# Altium PCB RK_NVR_DEMO1_RK3588_LP4XD200P232SD8_V21_20211228_final_lint.PcbDoc (part 22 of 29)
Units mm, origin at the board's own origin, x right, y up, seen from the top; angles counter-clockwise.
Board outline 170.08 x 169.98 mm, 8 copper layers (TOP, L2-GND1, L3-POWER1, L4-S1, L5-GND2, L6-S2, L7-GND3, BOTTOM), stack 2.118 mm thick; 1650 components, 1119 nets, 6165 pads, 15417 vias.
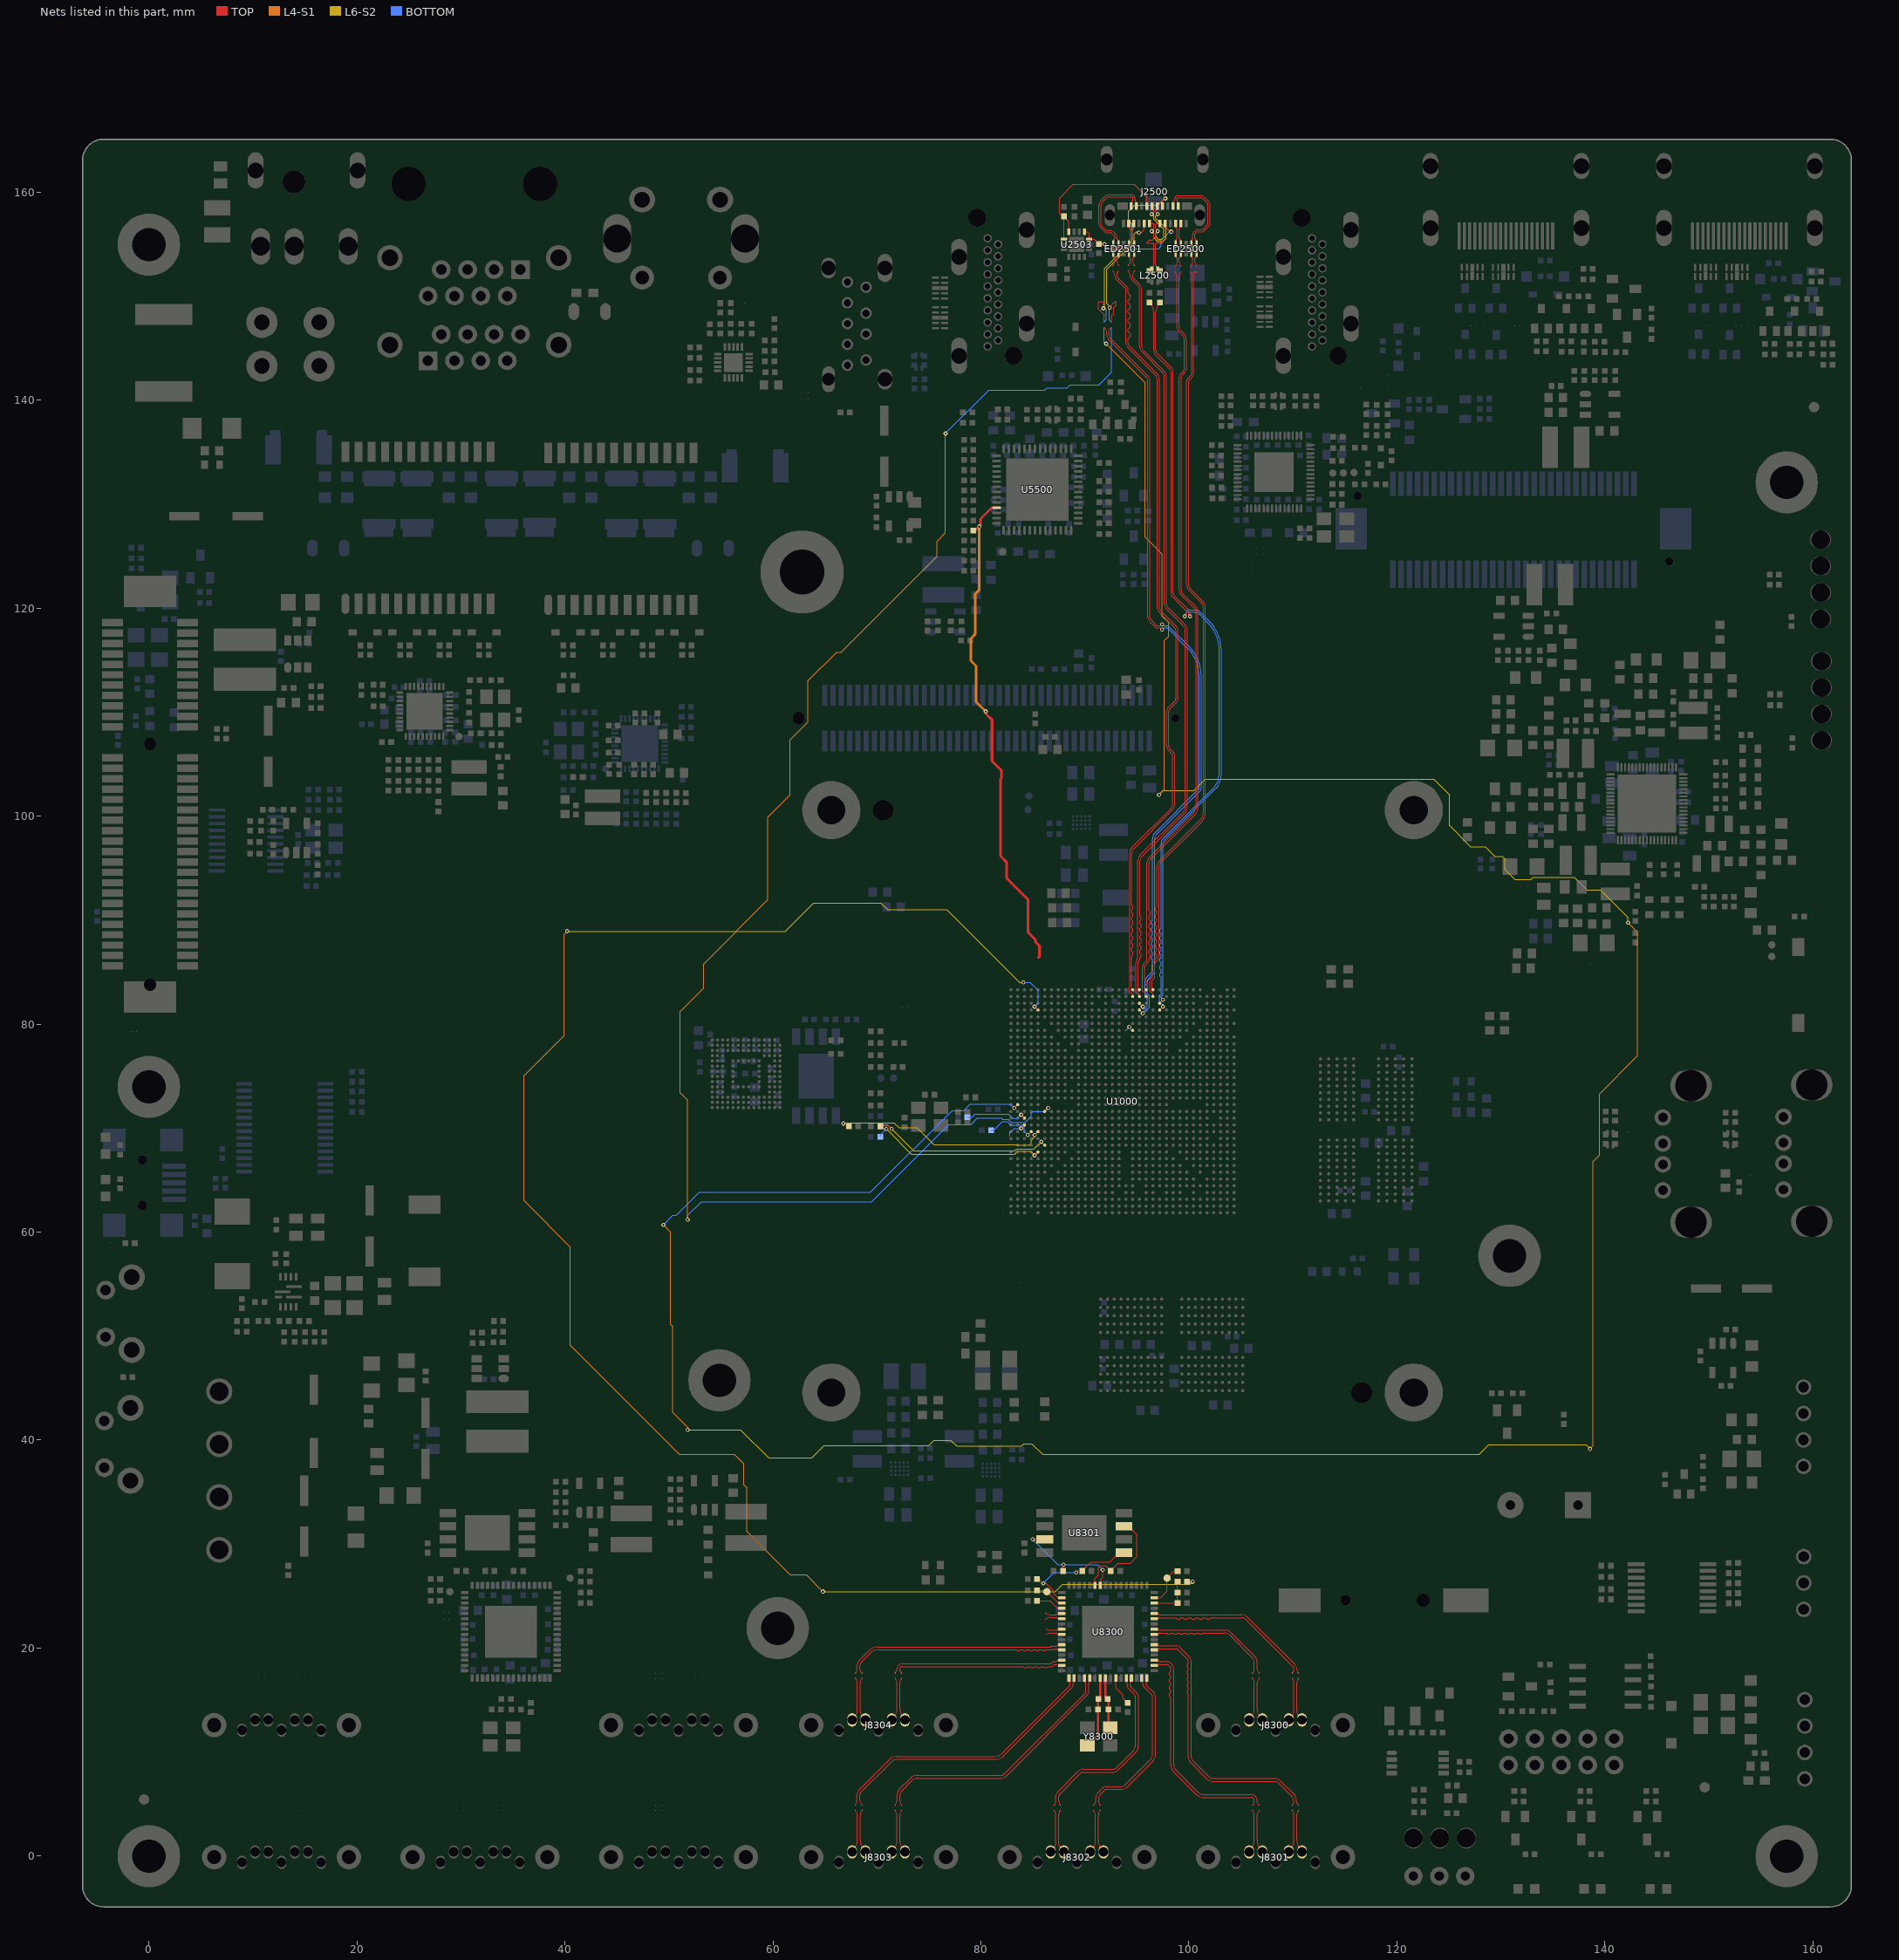
[diagram p28: the nets of this part, all layers, seen from the top]

## Via types
v1: diameter 0.4, hole 0.2, TOP to BOTTOM, 1688 vias
v2: diameter 0.4/0.4 (per signal layer), hole 0.2, TOP to L2-GND1, 1605 vias
v3: diameter 0/0/0/0/0/0/0/0.4 (per signal layer), hole 0.2, TOP to BOTTOM, 1253 vias
v4: diameter 0.4/0/0/0/0/0/0/0 (per signal layer), hole 0.2, TOP to BOTTOM, 1253 vias
v5: diameter 0.5, hole 0.3, TOP to BOTTOM, 857 vias
v6: diameter 0.4/0.4/0.4/0.4/0.4 (per signal layer), hole 0.2, L4-S1 to BOTTOM, 836 vias
v7: diameter 0/0/0/0/0/0/0/0.5 (per signal layer), hole 0.3, TOP to BOTTOM, 772 vias
v8: diameter 0.5/0/0/0/0/0/0/0 (per signal layer), hole 0.3, TOP to BOTTOM, 772 vias
v9: diameter 0.5/0.5 (per signal layer), hole 0.3, TOP to L2-GND1, 766 vias
v10: diameter 0.4/0.4 (per signal layer), hole 0.2, L7-GND3 to BOTTOM, 611 vias
v11: diameter 0.4/0.4/0.4/0.4 (per signal layer), hole 0.2, L5-GND2 to BOTTOM, 579 vias
v12: diameter 0.4 (per signal layer), hole 0.2, L6-S2 to L6-S2, 535 vias
v13: diameter 0.5/0.5/0.5/0.5/0.5 (per signal layer), hole 0.3, L4-S1 to BOTTOM, 457 vias
v14: diameter 0.5/0.5/0.5/0.5 (per signal layer), hole 0.3, L5-GND2 to BOTTOM, 455 vias
v15: diameter 0.4 (per signal layer), hole 0.2, L5-GND2 to L5-GND2, 418 vias
v16: diameter 0.5/0.5/0.5 (per signal layer), hole 0.3, TOP to L3-POWER1, 306 vias
v17: diameter 0.4 (per signal layer), hole 0.2, L4-S1 to L4-S1, 300 vias
v18: diameter 0.4/0.4/0.4 (per signal layer), hole 0.2, TOP to L3-POWER1, 287 vias
v19: diameter 0.5 (per signal layer), hole 0.3, L3-POWER1 to L3-POWER1, 242 vias
v20: diameter 0.5 (per signal layer), hole 0.3, L4-S1 to L4-S1, 240 vias
v21: diameter 0.5/0.5 (per signal layer), hole 0.3, L7-GND3 to BOTTOM, 192 vias
v22: diameter 0.5 (per signal layer), hole 0.3, L6-S2 to L6-S2, 166 vias
v23: diameter 0.4/0.4/0.4/0.4/0.4 (per signal layer), hole 0.2, TOP to L5-GND2, 134 vias
v24: diameter 0.5 (per signal layer), hole 0.3, L5-GND2 to L5-GND2, 114 vias
v25: diameter 0.5/0.5 (per signal layer), hole 0.3, L3-POWER1 to L4-S1, 111 vias
v26: diameter 0.4 (per signal layer), hole 0.2, L3-POWER1 to L3-POWER1, 93 vias
v27: diameter 0.4/0.4 (per signal layer), hole 0.2, L4-S1 to L5-GND2, 59 vias
v28: diameter 0.4/0.4/0/0/0.4/0/0.4/0.4 (per signal layer), hole 0.2, TOP to BOTTOM, 56 vias
v29: diameter 0.4/0/0/0.4/0/0/0/0.4 (per signal layer), hole 0.2, TOP to BOTTOM, 51 vias
v30: diameter 0.5/0.5 (per signal layer), hole 0.3, L4-S1 to L5-GND2, 46 vias
v31: diameter 0.4/0/0/0/0/0.4/0/0.4 (per signal layer), hole 0.2, TOP to BOTTOM, 42 vias
v32: diameter 0.5/0.5/0.5/0.5/0.5 (per signal layer), hole 0.3, TOP to L5-GND2, 32 vias
v33: diameter 0.4/0.4 (per signal layer), hole 0.2, L3-POWER1 to L4-S1, 29 vias
v34: diameter 0.4/0/0.4/0/0/0/0/0.4 (per signal layer), hole 0.2, TOP to BOTTOM, 29 vias
v35: diameter 0.4/0.4/0/0/0.4/0.4/0.4/0.4 (per signal layer), hole 0.2, TOP to BOTTOM, 21 vias
v36: diameter 0.5/0.5/0.5/0/0.5/0.5/0.5/0.5 (per signal layer), hole 0.3, TOP to BOTTOM, 4 vias
v37: diameter 0.5/0.5/0/0.5/0.5/0.5/0.5/0.5 (per signal layer), hole 0.3, TOP to BOTTOM, 3 vias
v38: diameter 0.4/0/0.4/0.4/0/0/0/0.4 (per signal layer), hole 0.2, TOP to BOTTOM, 2 vias
v39: diameter 0.4/0.4/0.4/0/0.4/0/0.4/0.4 (per signal layer), hole 0.2, TOP to BOTTOM, 1 vias

## Nets (pads, with @x,y where several pads share a name; then routed paths per layer and width w, separated by ;. In a path a pad name is that pad's centre, name@x,y a point inside that pad or via, vN(x,y) a via of type N, cw(c..) or ccw(c..) an arc to the next point about the centre after c; other vN are vias at no path point) (continued)
SATAPM1_GPIO3: R8304.2 U8300.11 U8301.3 | length 10.2
  TOP w0.102: U8300.11@90.969,26.028 90.969,26.678 91.304,27.013 91.304,27.724 91.508,27.928 91.972,27.928 R8304.2@92.48,27.42 93.191,28.131 94.378,28.131 95.013,28.766 95.013,30.925 94.219,31.719 U8301.3@93.743,31.719
SATAPM1_GPIO4: R8305.2 U8300.10 U8301.7 | length 11.3
  TOP w0.102: v4(84.98,30.449) U8301.7@86.142,30.449 ; R8305.2@87.894,27.42 87.894,27.971 v4(87.952,28.029) ; U8300.10@91.469,26.028 91.469,26.568 91.711,26.81 v4(91.711,27.521)
  BOTTOM w0.102: v4(84.98,30.449) 87.399,28.029 v4(87.952,28.029) 91.203,28.029 v4(91.711,27.521)
  other v3: 91.711,27.521 87.952,28.029 84.98,30.449
SATAPM1_GPIO12: R8302.2 TP8300.1 U8300.63 | length 4
  TOP w0.102: U8300.63@96.669,24.827 97.247,24.827 97.899,25.48 TP8300.1@97.899,26.732 98.57,27.403 R8302.2@98.913,27.403
SATAPM1_GPIO13: R8309.2 TP8301.1 U8300.19 | length 2.9
  TOP w0.102: R8309.2@85.401,25.557 86.21,25.557 TP8301.1@86.342,25.424 87.439,24.328 U8300.19@87.769,24.328
SATAPM1_GPIO14: R8303.2 R8308.2 U8300.18 U8301.1 | length 12.2
  TOP w0.102: R8308.2@85.401,26.632 85.589,26.632 v4(85.996,26.226) 86.252,26.226 87.012,25.466 87.012,25.21 87.394,24.827 U8300.18@87.769,24.827 ; v4(89.171,27.27) 89.32,27.42 R8303.2@89.737,27.42 90.6,28.283 92.371,28.283 93.267,29.179 U8301.1@93.743,29.179
  BOTTOM w0.102: v4(85.996,26.226) 87.04,27.27 v4(89.171,27.27)
  other v3: 85.996,26.226 89.171,27.27
SATAPM1_REXT: R8306.1 U8300.42 | length 2.9
  TOP w0.102: U8300.42@92.969,17.127 92.969,16.147 93.65,15.465 93.65,15.211 R8306.1@94.124,14.738
SATAPM1_RSTN: C8304.1 R8300.2 R8301.2 U8300.62 | length 4.3
  TOP w0.102: U8300.62@96.669,24.328 98.905,24.328 C8304.1@98.913,24.319 R8300.2@98.913,25.345 R8301.2@98.913,26.374
SATAPM1_RSTN_L_GPIO4_A1: R8301.1 U1000.AL30 | length 169.6
  TOP w0.089: v4(85.165,81.681) U1000.AL30@85.491,81.356
  TOP w0.102: R8301.1@99.814,26.374 v4(100.347,26.374)
  L4-S1 w0.102: v4(40.225,88.938) 39.92,88.634 39.92,78.88 36.059,75.019 36.059,63.03 40.53,58.56 40.53,49.111 50.995,38.646 56.278,38.646 57.192,37.732 57.192,35.7 57.497,35.395 57.497,31.23 61.663,27.064 63.187,27.064 v4(64.812,25.438)
  L6-S2 w0.089: 83.614,84.081 83.684,84.011 v4(84.091,84.011)
  L6-S2 w0.102: v4(40.225,88.938) 61.209,88.938 63.912,91.641 70.386,91.641 71.031,90.996 76.699,90.996 83.614,84.081 ; v4(64.812,25.438) 87.164,25.438 87.875,26.15 100.122,26.15 v4(100.347,26.374)
  BOTTOM w0.102: v4(84.091,84.011) 84.726,84.011 85.497,83.24 85.497,82.013 v4(85.165,81.681)
  other v3: 64.812,25.438 100.347,26.374 85.165,81.681 84.091,84.011 40.225,88.938
  other v12: 64.812,25.438 100.347,26.374 84.091,84.011 40.225,88.938
  other v17: 64.812,25.438 40.225,88.938
SATAPM1_RXN0: C8317.1 U8300.45 | length 17.6
  TOP w0.076: C8317.1@87.655,4.898 cw(c88.078,5.322) 87.48,5.322 87.48,5.755 cw(c87.747,5.755) 87.558,5.944 89.59,7.976 cw(c89.804,7.761) 89.804,8.065 92.651,8.065 ccw(c92.651,8.862) 93.214,8.298 94.898,9.982 ccw(c94.316,10.565) 95.14,10.565 95.14,15.279 ccw(c94.466,15.278) 94.942,15.755 94.797,15.901 94.399,16.299 cw(c94.496,16.396) 94.358,16.396 94.358,16.603 cw(c94.476,16.603) 94.393,16.686 ccw(c94.209,16.869) 94.469,16.869 U8300.45@94.469,17.127
SATAPM1_RXN1: C8302.1 U8300.57 | length 12.4
  TOP w0.076: U8300.57@96.669,21.827 96.941,21.827 cw(c96.941,21.601) 97.101,21.761 ccw(c97.207,21.867) 97.207,21.717 103.462,21.717 cw(c103.462,20.806) 104.106,21.451 106.319,19.238 cw(c105.712,18.631) 106.57,18.631 106.57,18.022 ccw(c107.168,18.022) C8302.1@106.746,17.598
SATAPM1_RXN2: C8307.1 U8300.51 | length 21.7
  TOP w0.076: U8300.51@96.669,18.827 96.975,18.827 cw(c96.975,18.683) 97.077,18.785 ccw(c97.241,18.949) 97.232,18.718 ccw(c97.244,18.949) 97.241,18.717 97.853,18.717 cw(c97.853,18.144) 98.258,18.549 98.36,18.448 cw(c97.917,18.005) 98.543,18.005 98.543,8.758 ccw(c99.236,8.758) 98.746,8.268 100.88,6.134 ccw(c101.432,6.686) 101.432,5.906 105.986,5.906 cw(c105.986,5.322) 106.57,5.322 106.57,5.22 ccw(c106.923,5.22) 106.673,4.97 C8307.1@106.746,4.898
SATAPM1_RXN3: C8322.1 U8300.34 | length 26.7
  TOP w0.076: C8322.1@68.565,4.898 68.539,4.924 cw(c68.941,5.326) 68.372,5.326 cw(c69.041,5.4) 68.368,5.399 68.368,5.908 cw(c68.696,5.908) 68.464,6.14 71.411,9.086 cw(c71.949,8.548) 71.949,9.309 81.377,9.309 ccw(c81.377,10.499) 82.218,9.658 88.718,16.157 ccw(c88.377,16.498) 88.859,16.498 88.859,16.589 cw(c89.041,16.589) 88.912,16.719 ccw(c88.592,16.917) 88.969,16.917 U8300.34@88.969,17.127
SATAPM1_RXN4: C8337.1 U8300.28 | length 21.2
  TOP w0.076: C8337.1@68.565,17.598 68.457,17.707 cw(c68.67,17.92) 68.368,17.92 68.368,18.318 cw(c68.783,18.318) 68.49,18.611 69.455,19.577 cw(c70.061,18.971) 70.061,19.827 83.429,19.827 83.507,19.749 83.736,19.749 83.815,19.827 84.043,19.827 84.122,19.749 84.351,19.749 84.429,19.827 84.658,19.827 84.737,19.749 84.965,19.749 85.044,19.827 85.273,19.827 85.351,19.749 85.58,19.749 85.659,19.827 85.887,19.827 85.966,19.749 86.195,19.749 86.273,19.827 86.787,19.827 ccw(c86.787,20.016) 86.92,19.883 cw(c87.015,19.65) 87.014,19.901 87.276,19.901 cw(c87.276,19.763) 87.373,19.861 ccw(c87.498,20.079) 87.498,19.827 U8300.28@87.769,19.827
SATAPM1_RXN5: C8312.2 U8300.22 | length 1.6
  TOP w0.076: C8312.2@86.234,22.762 cw(c86.658,22.339) 86.658,22.938 87.243,22.938 cw(c87.243,22.818) 87.327,22.903 ccw(c87.509,23.084) 87.509,22.827 U8300.22@87.769,22.827
SATAPM1_RXN_0: C8317.2 J8302.5 | length 4.2
  TOP w0.076: C8317.2@87.655,4.398 ccw(c88.08,3.973) 87.48,3.973 87.48,1.156 ccw(c88.122,1.156) 87.668,0.702 J8302.5@87.975,0.395
SATAPM1_RXN_1: C8302.2 J8300.5 | length 4.2
  TOP w0.076: C8302.2@106.746,17.098 ccw(c107.17,16.673) 106.57,16.673 106.57,14.059 ccw(c107.702,14.059) 106.901,13.258 J8300.5@107.065,13.095
SATAPM1_RXN_2: C8307.2 J8301.5 | length 4.2
  TOP w0.076: C8307.2@106.746,4.398 ccw(c107.17,3.973) 106.57,3.973 106.57,1.562 ccw(c108.193,1.563) 107.045,0.415 J8301.5@107.065,0.395
SATAPM1_RXN_3: C8322.2 J8303.5 | length 4.2
  TOP w0.076: C8322.2@68.565,4.398 ccw(c68.99,3.973) 68.39,3.973 68.389,1.562 ccw(c70.012,1.563) 68.865,0.415 J8303.5@68.885,0.395
SATAPM1_RXN_4: C8337.2 J8304.5 | length 4.2
  TOP w0.076: C8337.2@68.565,17.098 68.551,17.083 ccw(c68.939,16.694) 68.39,16.694 ccw(c68.9,16.676) 68.389,16.685 68.389,13.958 ccw(c69.277,13.958) 68.649,13.33 J8304.5@68.885,13.095
SATAPM1_RXP0: C8319.1 U8300.44 | length 17.6
  TOP w0.076: C8319.1@87.024,4.898 ccw(c86.602,5.322) 87.2,5.322 87.2,5.755 cw(c87.747,5.755) 87.36,6.141 89.392,8.173 cw(c89.804,7.761) 89.804,8.344 92.651,8.344 ccw(c92.651,8.862) 93.017,8.496 94.701,10.18 ccw(c94.316,10.565) 94.86,10.565 94.86,15.278 ccw(c94.466,15.278) 94.745,15.557 94.599,15.703 94.201,16.101 cw(c94.496,16.396) 94.079,16.396 94.079,16.54 ccw(c93.81,16.54) 94,16.73 cw(c94.076,16.806) 93.969,16.806 U8300.44@93.969,17.127
SATAPM1_RXP1: C8303.1 U8300.56 | length 12.4
  TOP w0.076: U8300.56@96.669,21.328 96.941,21.328 ccw(c96.941,21.554) 97.101,21.394 cw(c97.207,21.288) 97.207,21.438 97.884,21.438 97.96,21.362 98.189,21.362 98.265,21.438 98.493,21.438 98.57,21.362 98.798,21.362 98.874,21.438 99.103,21.438 99.179,21.362 99.408,21.362 99.484,21.438 99.713,21.438 99.789,21.362 100.017,21.362 100.094,21.438 100.322,21.438 100.398,21.362 100.627,21.362 100.703,21.438 100.932,21.438 101.008,21.362 101.237,21.362 101.313,21.438 103.462,21.438 cw(c103.462,20.806) 103.908,21.253 106.042,19.119 106.121,19.04 cw(c105.712,18.631) 106.29,18.631 106.29,18.022 cw(c105.692,18.022) C8303.1@106.115,17.598
SATAPM1_RXP2: C8309.1 U8300.50 | length 21.6
  TOP w0.076: U8300.50@96.669,18.328 96.944,18.328 ccw(c96.944,18.546) 97.099,18.392 cw(c97.21,18.28) 97.21,18.438 97.853,18.438 cw(c97.853,18.144) 98.061,18.352 98.162,18.25 cw(c97.917,18.005) 98.264,18.005 98.264,17.777 98.15,17.663 98.15,17.434 98.264,17.32 98.264,17.091 98.15,16.977 98.15,16.749 98.264,16.634 98.264,16.406 98.15,16.291 98.15,16.063 98.264,15.948 98.264,15.72 98.15,15.606 98.15,15.377 98.264,15.263 98.264,8.758 ccw(c99.236,8.758) 98.549,8.07 100.682,5.937 ccw(c101.432,6.686) 101.432,5.626 105.986,5.626 cw(c105.986,5.322) 106.29,5.322 106.29,5.22 cw(c105.937,5.22) 106.187,4.97 C8309.1@106.115,4.898
SATAPM1_RXP3: C8323.1 U8300.33 | length 26.7
  TOP w0.076: C8323.1@67.934,4.898 ccw(c67.561,5.271) 68.089,5.271 68.089,5.908 cw(c68.696,5.908) 68.267,6.338 71.213,9.284 cw(c71.949,8.548) 71.949,9.589 81.377,9.589 ccw(c81.377,10.499) 82.021,9.855 88.52,16.355 ccw(c88.377,16.498) 88.579,16.498 88.579,16.587 ccw(c88.386,16.587) 88.523,16.723 cw(c88.846,16.918) 88.469,16.918 U8300.33@88.469,17.127
SATAPM1_RXP4: C8338.1 U8300.27 | length 21.3
  TOP w0.076: C8338.1@67.934,17.598 67.97,17.634 ccw(c67.684,17.92) 68.089,17.92 68.089,18.318 cw(c68.783,18.318) 68.292,18.809 69.257,19.774 cw(c70.061,18.971) 70.06,20.107 86.682,20.107 ccw(c86.682,20.201) 86.748,20.135 cw(c86.859,20.024) 86.859,20.181 87.164,20.181 ccw(c87.164,20.401) 87.32,20.245 87.35,20.275 cw(c87.478,20.146) 87.478,20.328 U8300.27@87.769,20.328
SATAPM1_RXP5: C8310.2 U8300.21 | length 1.6
  TOP w0.076: C8310.2@86.234,23.393 ccw(c86.658,23.817) 86.658,23.217 87.177,23.217 ccw(c87.177,23.495) 87.373,23.298 cw(c87.444,23.228) 87.444,23.328 U8300.21@87.769,23.328
SATAPM1_RXP_0: C8319.2 J8302.6 | length 4.2
  TOP w0.076: J8302.6@86.705,0.395 87.012,0.702 ccw(c86.558,1.156) 87.2,1.156 87.2,3.973 ccw(c86.6,3.973) C8319.2@87.024,4.398
SATAPM1_RXP_1: C8303.2 J8300.6 | length 4.2
  TOP w0.076: J8300.6@105.795,13.095 105.959,13.258 ccw(c105.158,14.059) 106.29,14.059 106.29,16.673 ccw(c105.69,16.673) C8303.2@106.115,17.098
SATAPM1_RXP_2: C8309.2 J8301.6 | length 4.2
  TOP w0.076: J8301.6@105.795,0.395 105.815,0.415 ccw(c104.667,1.563) 106.29,1.562 106.29,3.973 ccw(c105.69,3.973) C8309.2@106.115,4.398
SATAPM1_RXP_3: C8323.2 J8303.6 | length 4.2
  TOP w0.076: J8303.6@67.615,0.395 67.635,0.415 ccw(c66.487,1.563) 68.11,1.562 68.11,3.973 ccw(c67.51,3.973) C8323.2@67.934,4.398
SATAPM1_RXP_4: C8338.2 J8304.6 | length 4.2
  TOP w0.076: J8304.6@67.615,13.095 67.85,13.33 ccw(c67.223,13.958) 68.11,13.958 68.11,16.685 ccw(c67.599,16.683) 68.11,16.699 ccw(c67.572,16.699) 67.952,17.079 C8338.2@67.934,17.098
SATAPM1_TESTN: R8310.2 U8300.20 | length 2.7
  TOP w0.102: R8310.2@85.401,24.541 86.665,24.541 87.378,23.827 U8300.20@87.769,23.827
SATAPM1_TXN0: C8315.1 U8300.47 | length 15.9
  TOP w0.076: C8315.1@90.834,4.898 90.904,4.967 ccw(c90.549,5.321) 91.05,5.322 91.05,5.599 cw(c91.763,5.599) 91.259,6.103 91.666,6.51 cw(c92.108,6.067) 92.109,6.693 93.502,6.693 ccw(c93.502,7.213) 93.87,6.846 96.308,9.284 ccw(c95.818,9.774) 96.511,9.774 96.511,15.27 ccw(c96.097,15.27) 96.39,15.563 95.679,16.275 cw(c95.922,16.518) 95.578,16.518 95.578,16.576 ccw(c95.351,16.557) 95.512,16.718 cw(c95.617,16.823) 95.469,16.823 U8300.47@95.469,17.127
SATAPM1_TXN1: C8301.1 U8300.59 | length 16.5
  TOP w0.076: U8300.59@96.669,22.827 96.95,22.827 ccw(c96.95,23.07) 97.121,22.898 cw(c97.182,22.837) 97.182,22.924 98.755,22.924 98.882,22.797 99.111,22.797 99.238,22.924 99.467,22.924 99.594,22.797 99.822,22.797 99.949,22.924 100.178,22.924 100.305,22.797 100.533,22.797 100.66,22.924 100.889,22.924 101.016,22.797 101.245,22.797 101.372,22.924 101.6,22.924 101.727,22.797 101.956,22.797 102.083,22.924 105.006,22.924 cw(c105.006,22.249) 105.483,22.726 110.004,18.205 cw(c109.794,17.994) 110.092,17.994 110.092,17.926 cw(c109.703,17.926) 109.978,17.651 C8301.1@109.925,17.598
SATAPM1_TXN2: C8306.1 U8300.53 | length 26
  TOP w0.076: U8300.53@96.669,19.827 96.956,19.827 ccw(c96.956,20.017) 97.091,19.883 cw(c97.223,19.751) 97.223,19.938 98.758,19.938 cw(c98.758,19.659) 98.955,19.856 99.87,18.942 cw(c99.699,18.771) 99.94,18.771 99.94,18.5 99.851,18.411 99.851,18.182 99.94,18.093 99.94,17.865 99.851,17.776 99.851,17.547 99.94,17.458 99.94,17.23 99.851,17.141 99.851,16.912 99.94,16.823 99.94,16.595 99.851,16.506 99.851,16.277 99.94,16.188 99.94,15.96 99.851,15.871 99.851,15.642 99.94,15.553 99.94,9.55 ccw(c100.74,9.55) 100.175,8.985 101.705,7.454 ccw(c102.377,8.127) 102.377,7.176 108.271,7.176 cw(c108.271,6.718) 108.595,7.042 109.915,5.721 cw(c109.53,5.336) 110.075,5.336 110.075,5.22 cw(c109.66,5.22) 109.954,4.927 C8306.1@109.925,4.898
SATAPM1_TXN3: C8321.1 U8300.36 | length 24.8
  TOP w0.076: C8321.1@71.744,4.898 ccw(c71.31,5.332) 71.924,5.332 71.924,5.814 cw(c72.854,5.814) 72.196,6.472 73.212,7.488 cw(c73.87,6.83) 73.87,7.76 82.003,7.76 ccw(c82.003,8.044) 82.204,7.843 90.031,15.67 ccw(c89.915,15.786) 90.079,15.786 90.079,16.566 ccw(c89.874,16.566) 90.019,16.711 cw(c90.141,16.833) 89.969,16.833 U8300.36@89.969,17.127
SATAPM1_TXN4: C8336.1 U8300.30 | length 16.7
  TOP w0.076: C8336.1@71.744,17.598 71.78,17.634 ccw(c71.494,17.92) 71.899,17.92 cw(c72.483,17.92) 72.483,18.504 86.744,18.504 86.957,18.717 87.292,18.717 87.403,18.827 U8300.30@87.769,18.827
SATAPM1_TXN5: C8316.2 U8300.24 | length 1.6
  TOP w0.076: C8316.2@86.234,21.893 ccw(c86.658,22.317) 86.658,21.717 87.195,21.717 ccw(c87.195,21.953) 87.362,21.786 cw(c87.461,21.687) 87.461,21.827 U8300.24@87.769,21.827
SATAPM1_TXN_0: C8315.2 J8302.3 | length 4.2
  TOP w0.076: J8302.3@90.515,0.395 90.607,0.486 ccw(c89.632,1.461) 91.01,1.461 91.01,3.973 ccw(c90.41,3.973) C8315.2@90.834,4.398
SATAPM1_TXN_1: C8301.2 J8300.3 | length 4.2
  TOP w0.076: J8300.3@109.605,13.095 109.841,13.33 ccw(c109.213,13.958) 110.1,13.958 110.1,16.673 ccw(c109.5,16.673) C8301.2@109.925,17.098
SATAPM1_TXN_2: C8306.2 J8301.3 | length 4.2
  TOP w0.076: J8301.3@109.605,0.395 109.625,0.415 ccw(c108.477,1.563) 110.1,1.562 110.1,3.973 ccw(c109.5,3.973) C8306.2@109.925,4.398
SATAPM1_TXN_3: C8321.2 J8303.3 | length 4.2
  TOP w0.076: J8303.3@71.425,0.395 71.561,0.531 ccw(c70.695,1.398) 71.92,1.398 71.92,4.001 ccw(c71.387,4.001) 71.764,4.378 C8321.2@71.744,4.398
SATAPM1_TXN_4: C8336.2 J8304.3 | length 4.2
  TOP w0.076: J8304.3@71.425,13.095 71.504,13.174 ccw(c70.499,14.178) 71.92,14.179 71.92,16.701 ccw(c71.387,16.701) 71.764,17.078 C8336.2@71.744,17.098
SATAPM1_TXP0: C8314.1 U8300.48 | length 15.9
  TOP w0.076: C8314.1@91.465,4.898 cw(c91.793,5.225) 91.33,5.225 91.33,5.599 cw(c91.763,5.599) 91.457,5.906 91.863,6.312 cw(c92.108,6.067) 92.109,6.414 93.502,6.414 ccw(c93.502,7.213) 94.067,6.648 96.506,9.086 ccw(c95.818,9.774) 96.791,9.774 96.791,15.27 ccw(c96.097,15.27) 96.588,15.761 95.927,16.421 cw(c96.093,16.588) 95.858,16.587 95.858,16.599 cw(c95.983,16.599) 95.895,16.688 ccw(c95.716,16.866) 95.969,16.866 U8300.48@95.969,17.127
SATAPM1_TXP1: C8300.1 U8300.60 | length 16.4
  TOP w0.076: U8300.60@96.669,23.328 96.958,23.328 cw(c96.958,23.142) 97.089,23.273 ccw(c97.258,23.443) 97.242,23.204 ccw(c97.261,23.442) 97.258,23.203 105.006,23.203 cw(c105.006,22.249) 105.681,22.924 110.202,18.403 cw(c109.793,17.994) 110.371,17.994 110.371,17.926 ccw(c110.718,17.926) 110.473,17.681 C8300.1@110.556,17.598
SATAPM1_TXP2: C8305.1 U8300.54 | length 26.1
  TOP w0.076: U8300.54@96.669,20.328 96.924,20.328 cw(c96.924,20.06) 97.113,20.249 ccw(c97.191,20.326) 97.191,20.217 98.758,20.217 cw(c98.758,19.659) 99.153,20.054 100.067,19.139 cw(c99.699,18.771) 100.22,18.771 100.22,9.55 ccw(c100.74,9.55) 100.372,9.182 101.903,7.652 ccw(c102.377,8.126) 102.377,7.455 108.271,7.455 cw(c108.271,6.718) 108.792,7.239 110.113,5.918 cw(c109.53,5.336) 110.354,5.336 110.354,5.22 ccw(c110.646,5.22) 110.44,5.014 C8305.1@110.556,4.898
SATAPM1_TXP3: C8320.1 U8300.37 | length 24.8
  TOP w0.076: C8320.1@72.375,4.898 cw(c72.79,5.312) 72.204,5.312 72.204,5.814 cw(c72.854,5.814) 72.394,6.274 73.41,7.29 cw(c73.87,6.83) 73.87,7.481 82.003,7.481 ccw(c82.003,8.044) 82.402,7.646 90.228,15.472 ccw(c89.915,15.786) 90.358,15.786 90.358,16.596 cw(c90.517,16.596) 90.405,16.708 ccw(c90.092,16.917) 90.469,16.917 U8300.37@90.469,17.127
SATAPM1_TXP4: C8335.1 U8300.31 | length 16.6
  TOP w0.076: C8335.1@72.375,17.598 72.267,17.707 cw(c72.48,17.92) 72.178,17.92 cw(c72.483,17.92) 72.483,18.225 84.086,18.225 84.175,18.136 84.403,18.136 84.492,18.225 84.721,18.225 84.81,18.136 85.038,18.136 85.127,18.225 85.356,18.225 85.445,18.136 85.673,18.136 85.762,18.225 85.991,18.225 86.08,18.136 86.308,18.136 86.397,18.225 86.86,18.225 87.073,18.438 87.292,18.438 87.403,18.328 U8300.31@87.769,18.328
SATAPM1_TXP5: C8318.2 U8300.25 | length 1.6
  TOP w0.076: C8318.2@86.234,21.262 cw(c86.658,20.838) 86.658,21.438 87.195,21.438 cw(c87.195,21.202) 87.362,21.369 ccw(c87.461,21.468) 87.461,21.328 U8300.25@87.769,21.328
SATAPM1_TXP_0: C8314.2 J8302.2 | length 4.2
  TOP w0.076: C8314.2@91.465,4.398 ccw(c91.89,3.973) 91.29,3.973 91.29,1.461 ccw(c92.668,1.461) 91.693,0.486 J8302.2@91.785,0.395
SATAPM1_TXP_1: C8300.2 J8300.2 | length 4.2
  TOP w0.076: C8300.2@110.556,17.098 ccw(c110.98,16.673) 110.38,16.673 110.38,13.958 ccw(c111.267,13.958) 110.64,13.33 J8300.2@110.875,13.095

## Text inside footprints (layer, text, board x,y; h text height)
R8307: PIN_NUMBER "1" at 92.099,15.092 h0.25 r180; PIN_NUMBER "2" at 91.199,15.092 h0.25 r180; ASSEMBLY_TOP "1M" at 91.548,14.965 h0.25
R8308: PIN_NUMBER "1" at 84.4,26.632 h0.25; PIN_NUMBER "2" at 85.3,26.632 h0.25; ASSEMBLY_TOP "4.7K" at 84.545,26.505 h0.25
R8309: PIN_NUMBER "1" at 84.4,25.557 h0.25; PIN_NUMBER "2" at 85.3,25.557 h0.25; ASSEMBLY_TOP "4.7K" at 84.545,25.43 h0.25
R8310: PIN_NUMBER "1" at 84.4,24.541 h0.25; PIN_NUMBER "2" at 85.3,24.541 h0.25; ASSEMBLY_TOP "0R" at 84.748,24.414 h0.25
R8311: PIN_NUMBER "2" at 79.966,27.578 h0.25 r270; PIN_NUMBER "1" at 79.966,29.027 h0.25 r270; ASSEMBLY_TOP "0R" at 79.992,28.302 h0.25 r90
R8312: PIN_NUMBER "2" at 76.002,27.978 h0.25; PIN_NUMBER "1" at 74.552,27.978 h0.25; ASSEMBLY_TOP "0R" at 75.175,27.851 h0.25
R8400: PIN_NUMBER "2" at 85.424,86.412 h0.25 r135; PIN_NUMBER "1" at 86.06,85.775 h0.25 r135; ASSEMBLY_TOP "22R" at 85.628,86.183 h0.25 r315
R8401: PIN_NUMBER "2" at -3.082,107.727 h0.25 r90; PIN_NUMBER "1" at -3.082,106.827 h0.25 r90; ASSEMBLY_TOP "22R" at -3.158,107.277 h0.25 r270
R8402: PIN_NUMBER "2" at 7.343,107.455 h0.25; PIN_NUMBER "1" at 6.443,107.455 h0.25; ASSEMBLY_TOP "22R" at 6.69,107.328 h0.25
R8403: PIN_NUMBER "1" at -5.089,89.911 h0.25 r90; PIN_NUMBER "2" at -5.089,90.811 h0.25 r90; ASSEMBLY_TOP "22R" at -5.165,90.361 h0.25 r270
R8404: PIN_NUMBER "1" at 7.589,101.922 h0.64 r180; PIN_NUMBER "2" at 7.589,102.422 h0.64; ASSEMBLY_TOP "33R" at 7.665,102.172 h0.25 r270
R8405: PIN_NUMBER "1" at 8.199,101.922 h0.64 r180; PIN_NUMBER "2" at 8.199,102.422 h0.64; ASSEMBLY_TOP "33R" at 8.275,102.172 h0.25 r270
R8406: PIN_NUMBER "2" at 8.703,103.061 h0.64 r270; PIN_NUMBER "1" at 8.203,103.061 h0.64 r90; ASSEMBLY_TOP "49.9R" at 8.199,102.934 h0.25 r180
R8407: PIN_NUMBER "2" at 7.085,103.061 h0.64 r90; PIN_NUMBER "1" at 7.585,103.061 h0.64 r270; ASSEMBLY_TOP "49.9R" at 7.081,102.934 h0.25 r180
R8408: PIN_NUMBER "2" at 17.296,100.563 h0.25 r180; PIN_NUMBER "1" at 18.196,100.563 h0.25 r180; ASSEMBLY_TOP "10K" at 17.543,100.436 h0.25 r180
R8409: PIN_NUMBER "2" at 15.269,100.563 h0.25 r180; PIN_NUMBER "1" at 16.169,100.563 h0.25 r180; ASSEMBLY_TOP "10K" at 15.516,100.436 h0.25 r180
R8410: PIN_NUMBER "2" at 17.296,102.553 h0.25 r180; PIN_NUMBER "1" at 18.196,102.553 h0.25 r180; ASSEMBLY_TOP "10K" at 17.543,102.426 h0.25 r180
R8411: PIN_NUMBER "2" at 15.269,102.553 h0.25 r180; PIN_NUMBER "1" at 16.169,102.553 h0.25 r180; ASSEMBLY_TOP "10K" at 15.516,102.426 h0.25 r180
R8412: PIN_NUMBER "2" at 17.296,101.588 h0.25 r180; PIN_NUMBER "1" at 18.196,101.588 h0.25 r180; ASSEMBLY_TOP "10K" at 17.543,101.461 h0.25 r180
R8413: PIN_NUMBER "2" at 15.269,101.588 h0.25 r180; PIN_NUMBER "1" at 16.169,101.588 h0.25 r180; ASSEMBLY_TOP "10K" at 15.516,101.461 h0.25 r180
R8414: PIN_NUMBER "1" at 16.062,95.498 h0.25 r180; PIN_NUMBER "2" at 15.162,95.498 h0.25 r180; ASSEMBLY_TOP "22R" at 15.409,95.371 h0.25 r180
R8415: PIN_NUMBER "2" at 10.532,92.879 h0.64 r180; PIN_NUMBER "1" at 10.532,93.38 h0.64; ASSEMBLY_TOP "33R" at 10.609,93.129 h0.25 r270
R8416: PIN_NUMBER "2" at 9.897,92.879 h0.64 r180; PIN_NUMBER "1" at 9.897,93.38 h0.64; ASSEMBLY_TOP "33R" at 9.974,93.129 h0.25 r270
R8417: PIN_NUMBER "2" at 15.061,94.319 h0.25 r180; PIN_NUMBER "1" at 15.961,94.319 h0.25 r180; ASSEMBLY_TOP "10K" at 15.308,94.192 h0.25 r180
R8418: PIN_NUMBER "2" at 9.393,92.24 h0.64 r90; PIN_NUMBER "1" at 9.894,92.24 h0.64 r270; ASSEMBLY_TOP "49.9R" at 9.389,92.113 h0.25 r180
R8419: PIN_NUMBER "2" at 11.037,92.24 h0.64 r270; PIN_NUMBER "1" at 10.536,92.24 h0.64 r90; ASSEMBLY_TOP "49.9R" at 10.532,92.113 h0.25 r180
R8420: PIN_NUMBER "2" at 17.098,94.319 h0.25 r180; PIN_NUMBER "1" at 17.998,94.319 h0.25 r180; ASSEMBLY_TOP "4.7K" at 17.243,94.192 h0.25 r180
R8421: PIN_NUMBER "2" at 15.961,93.269 h0.25; PIN_NUMBER "1" at 15.061,93.269 h0.25; ASSEMBLY_TOP "470R" at 15.206,93.142 h0.25 r180
R8422: PIN_NUMBER "1" at 9.628,99.516 h0.25 r270; PIN_NUMBER "2" at 9.628,98.616 h0.25 r270; ASSEMBLY_TOP "2.2R" at 9.45,99.066 h0.25 r90
R8423: PIN_NUMBER "2" at 8.078,92.879 h0.64 r180; PIN_NUMBER "1" at 8.078,93.38 h0.64; ASSEMBLY_TOP "33R" at 8.154,93.129 h0.25 r270
R8424: PIN_NUMBER "2" at 7.443,92.879 h0.64 r180; PIN_NUMBER "1" at 7.443,93.38 h0.64; ASSEMBLY_TOP "33R" at 7.519,93.129 h0.25 r270
R8425: PIN_NUMBER "2" at 6.939,92.24 h0.64 r90; PIN_NUMBER "1" at 7.439,92.24 h0.64 r270; ASSEMBLY_TOP "49.9R" at 6.935,92.113 h0.25 r180
R8426: PIN_NUMBER "2" at 8.582,92.24 h0.64 r270; PIN_NUMBER "1" at 8.082,92.24 h0.64 r90; ASSEMBLY_TOP "49.9R" at 8.078,92.113 h0.25 r180
R8427: PIN_NUMBER "1" at 16.144,94.406 h0.25 r90; PIN_NUMBER "2" at 16.144,95.307 h0.25 r90; ASSEMBLY_TOP "100K" at 15.966,94.857 h0.25 r90
R8428: PIN_NUMBER "2" at -1.762,124.786 h0.25 r180; PIN_NUMBER "1" at -0.862,124.786 h0.25 r180; ASSEMBLY_TOP "100K" at -1.616,124.659 h0.25 r180
R8429: PIN_NUMBER "1" at 14.375,116.574 h0.25; PIN_NUMBER "2" at 15.275,116.574 h0.25; ASSEMBLY_TOP "10K" at 14.622,116.447 h0.25 r180
R8430: PIN_NUMBER "2" at 15.504,111.46 h0.25 r180; PIN_NUMBER "1" at 16.404,111.46 h0.25 r180; ASSEMBLY_TOP "232K" at 15.649,111.333 h0.25
R8431: PIN_NUMBER "2" at 15.333,118.548 h0.25 r90; PIN_NUMBER "1" at 15.333,117.647 h0.25 r90; ASSEMBLY_TOP "DNP" at 15.257,118.098 h0.25 r270
R8432: PIN_NUMBER "1" at -1.763,125.805 h0.25; PIN_NUMBER "2" at -0.863,125.805 h0.25; ASSEMBLY_TOP "10K" at -1.516,125.678 h0.25 r180
R8433: PIN_NUMBER "2" at 16.404,112.493 h0.25; PIN_NUMBER "1" at 15.504,112.493 h0.25; ASSEMBLY_TOP "49.9K" at 15.548,112.366 h0.25
R8434: PIN_NUMBER "1" at 5.705,120.494 h0.25 r180; PIN_NUMBER "2" at 4.805,120.494 h0.25 r180; ASSEMBLY_TOP "10K" at 5.052,120.367 h0.25 r180
R8435: PIN_NUMBER "2" at 4.805,121.542 h0.25 r180; PIN_NUMBER "1" at 5.705,121.542 h0.25 r180; ASSEMBLY_TOP "51K" at 5.052,121.415 h0.25 r180
R9000: PIN_NUMBER "1" at 122.461,4.214 h0.25 r180; PIN_NUMBER "2" at 121.561,4.214 h0.25 r180; ASSEMBLY_TOP "10K" at 121.807,4.087 h0.25
R9001: PIN_NUMBER "1" at 122.461,5.313 h0.25 r180; PIN_NUMBER "2" at 121.561,5.313 h0.25 r180; ASSEMBLY_TOP "22R" at 121.807,5.186 h0.25
R9002: PIN_NUMBER "2" at 125.688,6.785 h0.25; PIN_NUMBER "1" at 124.788,6.785 h0.25; ASSEMBLY_TOP "22R" at 125.035,6.658 h0.25
R9003: PIN_NUMBER "1" at 132.251,0.171 h0.25; PIN_NUMBER "2" at 133.151,0.171 h0.25; ASSEMBLY_TOP "1K" at 132.599,0.044 h0.25
R9004: PIN_NUMBER "1" at 144.951,0.171 h0.25; PIN_NUMBER "2" at 145.851,0.171 h0.25; ASSEMBLY_TOP "1K" at 145.299,0.044 h0.25
R9005: PIN_NUMBER "1" at 138.601,0.171 h0.25; PIN_NUMBER "2" at 139.501,0.171 h0.25; ASSEMBLY_TOP "1K" at 138.949,0.044 h0.25
R9006: PIN_NUMBER "1" at 131.189,6.261 h0.25; PIN_NUMBER "2" at 132.09,6.261 h0.25; ASSEMBLY_TOP "10K" at 131.436,6.134 h0.25
R9007: PIN_NUMBER "1" at 143.889,6.261 h0.25; PIN_NUMBER "2" at 144.79,6.261 h0.25; ASSEMBLY_TOP "10K" at 144.136,6.134 h0.25
R9008: PIN_NUMBER "1" at 137.539,6.261 h0.25; PIN_NUMBER "2" at 138.44,6.261 h0.25; ASSEMBLY_TOP "10K" at 137.786,6.134 h0.25
R9009: PIN_NUMBER "2" at 131.189,5.245 h0.25 r180; PIN_NUMBER "1" at 132.09,5.245 h0.25 r180; ASSEMBLY_TOP "51K" at 131.436,5.118 h0.25
R9010: PIN_NUMBER "2" at 143.889,5.245 h0.25 r180; PIN_NUMBER "1" at 144.79,5.245 h0.25 r180; ASSEMBLY_TOP "51K" at 144.136,5.118 h0.25
R9011: PIN_NUMBER "2" at 137.539,5.245 h0.25 r180; PIN_NUMBER "1" at 138.44,5.245 h0.25 r180; ASSEMBLY_TOP "51K" at 137.786,5.118 h0.25
R9100: PIN_NUMBER "2" at 19.455,75.426 h0.25 r180; PIN_NUMBER "1" at 20.355,75.426 h0.25 r180; ASSEMBLY_TOP "0R" at 19.803,75.299 h0.25 r180
R9101: PIN_NUMBER "2" at 19.452,71.565 h0.25 r180; PIN_NUMBER "1" at 20.352,71.565 h0.25 r180; ASSEMBLY_TOP "0R" at 19.801,71.438 h0.25 r180
R9102: PIN_NUMBER "2" at 19.452,74.473 h0.25 r180; PIN_NUMBER "1" at 20.352,74.473 h0.25 r180; ASSEMBLY_TOP "0R" at 19.801,74.346 h0.25 r180
R9103: PIN_NUMBER "2" at -2.853,64.206 h0.25 r270; PIN_NUMBER "1" at -2.853,65.106 h0.25 r270; ASSEMBLY_TOP "2.2K" at -3.031,64.656 h0.25 r90
R9104: PIN_NUMBER "2" at 6.332,64.259 h0.25 r180; PIN_NUMBER "1" at 7.233,64.259 h0.25 r180; ASSEMBLY_TOP "22R" at 6.579,64.132 h0.25 r180
R9105: PIN_NUMBER "1" at 7.233,65.148 h0.25 r180; PIN_NUMBER "2" at 6.332,65.148 h0.25 r180; ASSEMBLY_TOP "22R" at 6.579,65.021 h0.25 r180
R9106: PIN_NUMBER "2" at 156.631,122.253 h0.25; PIN_NUMBER "1" at 155.731,122.253 h0.25; ASSEMBLY_TOP "22R" at 155.978,122.126 h0.25
R9107: PIN_NUMBER "2" at 156.631,123.237 h0.25; PIN_NUMBER "1" at 155.731,123.237 h0.25; ASSEMBLY_TOP "22R" at 155.978,123.11 h0.25
R9108: PIN_NUMBER "1" at 155.807,110.664 h0.25; PIN_NUMBER "2" at 156.707,110.664 h0.25; ASSEMBLY_TOP "22R" at 156.054,110.537 h0.25
R9109: PIN_NUMBER "1" at 155.807,111.712 h0.25; PIN_NUMBER "2" at 156.707,111.712 h0.25; ASSEMBLY_TOP "22R" at 156.054,111.585 h0.25
R9200: PIN_NUMBER "1" at -1.46,58.931 h0.25 r180; PIN_NUMBER "2" at -2.36,58.931 h0.25 r180; ASSEMBLY_TOP "100R" at -2.215,58.804 h0.25
R9201: PIN_NUMBER "1" at -1.688,46.054 h0.25 r180; PIN_NUMBER "2" at -2.589,46.054 h0.25 r180; ASSEMBLY_TOP "100R" at -2.443,45.927 h0.25
R9300: PIN_NUMBER "2" at 91.834,81.217 h0.64 r270; PIN_NUMBER "1" at 91.334,81.217 h0.64 r90; ASSEMBLY_TOP "10K" at 91.533,81.09 h0.25 r180
R9301: PIN_NUMBER "2" at 92.763,82.161 h0.25 r90; PIN_NUMBER "1" at 92.763,81.261 h0.25 r90; ASSEMBLY_TOP "110K" at 92.585,81.711 h0.25 r270
R9500: PIN_NUMBER "1" at 134.671,16.69 h0.25 r270; PIN_NUMBER "2" at 134.671,15.79 h0.25 r270; ASSEMBLY_TOP "10K" at 134.595,16.24 h0.25 r90
R9501: PIN_NUMBER "2" at 144.341,15.239 h0.25 r90; PIN_NUMBER "1" at 144.341,14.339 h0.25 r90; ASSEMBLY_TOP "3.3K" at 144.163,14.789 h0.25 r90
R9502: PIN_NUMBER "1" at 133.693,18.421 h0.25; PIN_NUMBER "2" at 134.594,18.421 h0.25; ASSEMBLY_TOP "22R" at 133.94,18.294 h0.25
R9503: PIN_NUMBER "1" at 153.915,16.888 h0.25 r270; PIN_NUMBER "2" at 153.915,14.888 h0.25 r270; ASSEMBLY_TOP "0R" at 153.687,15.888 h0.25 r270
R9504: PIN_NUMBER "2" at 153.915,13.23 h0.25 r90; PIN_NUMBER "1" at 153.915,11.23 h0.25 r90; ASSEMBLY_TOP "0R" at 153.941,12.23 h0.25 r90
R9505: PIN_NUMBER "1" at 149.121,14.787 h0.25; PIN_NUMBER "2" at 151.721,14.787 h0.25; ASSEMBLY_TOP "60.4R" at 150.018,14.66 h0.25
R9506: PIN_NUMBER "1" at 149.121,12.552 h0.25; PIN_NUMBER "2" at 151.721,12.552 h0.25; ASSEMBLY_TOP "60.4R" at 150.018,12.425 h0.25
R9507: PIN_NUMBER "1" at 134.049,13.921 h0.25; PIN_NUMBER "2" at 134.949,13.921 h0.25; ASSEMBLY_TOP "22R" at 134.296,13.794 h0.25
R9508: PIN_NUMBER "2" at 144.341,17.22 h0.25 r90; PIN_NUMBER "1" at 144.341,16.32 h0.25 r90; ASSEMBLY_TOP "3.3K" at 144.163,16.77 h0.25 r90
R9509: PIN_NUMBER "1" at 132.882,13.921 h0.25 r180; PIN_NUMBER "2" at 131.982,13.921 h0.25 r180; ASSEMBLY_TOP "10K" at 132.229,13.794 h0.25
R9510: PIN_NUMBER "2" at 129.998,13.921 h0.25 r180; PIN_NUMBER "1" at 130.898,13.921 h0.25 r180; ASSEMBLY_TOP "51K" at 130.245,13.794 h0.25
R9511: PIN_NUMBER "1" at 151.804,27.207 h0.25; PIN_NUMBER "2" at 152.704,27.207 h0.25; ASSEMBLY_TOP "22R" at 152.05,27.08 h0.25
R9512: PIN_NUMBER "2" at 152.704,26.242 h0.25; PIN_NUMBER "1" at 151.804,26.242 h0.25; ASSEMBLY_TOP "22R" at 152.05,26.115 h0.25
R9513: PIN_NUMBER "2" at 152.704,25.277 h0.25; PIN_NUMBER "1" at 151.804,25.277 h0.25; ASSEMBLY_TOP "22R" at 152.05,25.15 h0.25
R9514: PIN_NUMBER "2" at 152.704,24.312 h0.25; PIN_NUMBER "1" at 151.804,24.312 h0.25; ASSEMBLY_TOP "22R" at 152.05,24.185 h0.25
R9900: PIN_NUMBER "2" at 154.058,41.957 h0.25; PIN_NUMBER "1" at 152.058,41.957 h0.25; ASSEMBLY_TOP "0R" at 152.957,41.83 h0.25
R9901: PIN_NUMBER "2" at 154.058,35.937 h0.25; PIN_NUMBER "1" at 152.058,35.937 h0.25; ASSEMBLY_TOP "0R" at 152.957,35.81 h0.25
R9902: PIN_NUMBER "1" at 149.343,35.351 h0.25 r90; PIN_NUMBER "2" at 149.343,36.252 h0.25 r90; ASSEMBLY_TOP "1K" at 149.369,35.802 h0.25 r90
R9904: PIN_NUMBER "1" at 145.686,35.758 h0.25 r90; PIN_NUMBER "2" at 145.686,36.658 h0.25 r90; ASSEMBLY_TOP "10K" at 145.61,36.208 h0.25 r90
R9905: PIN_NUMBER "1" at 149.343,38.385 h0.25 r270; PIN_NUMBER "2" at 149.343,37.485 h0.25 r270; ASSEMBLY_TOP "10K" at 149.267,37.935 h0.25 r90
SMTSO9900: PIN_NUMBER "1" at 62.701,123.477 h0.25 r180; ASSEMBLY_TOP "SMTSO3050CTJ" at 61.583,123.35 h0.25 r180
SW1500: PIN_NUMBER "2" at 158.335,80.114 h0.64 r180; PIN_NUMBER "1" at 158.335,87.414 h0.64 r180; ASSEMBLY_TOP "TS-1125HS" at 157.802,83.795 h0.25 r90
SW9200: PIN_NUMBER "4" at -2.161,49.94 h0.64 r270; PIN_NUMBER "3" at -2.161,56.94 h0.64 r270; PIN_NUMBER "2" at -4.407,49.92 h0.64 r270; PIN_NUMBER "1" at -4.407,54.42 h0.64 r270; ASSEMBLY_TOP "TS-1138V1" at -3.678,52.17 h0.25 r90
SW9201: PIN_NUMBER "4" at -2.288,37.367 h0.64 r270; PIN_NUMBER "3" at -2.288,44.367 h0.64 r270; PIN_NUMBER "2" at -4.534,37.347 h0.64 r270; PIN_NUMBER "1" at -4.534,41.847 h0.64 r270; ASSEMBLY_TOP "TS-1138V1" at -3.805,39.597 h0.25 r90
TP1300: PIN_NUMBER "1" at 55.059,75.426 h0.25 r180; ASSEMBLY_TOP "TP_0.7" at 54.551,75.299 h0.25 r180
TP1301: PIN_NUMBER "1" at 54.144,75.426 h0.25 r180; ASSEMBLY_TOP "TP_0.7" at 53.636,75.299 h0.25 r180
TP1302: PIN_NUMBER "1" at 71.518,74.816 h0.25 r180; ASSEMBLY_TOP "TP_0.7" at 71.01,74.689 h0.25 r180
TP1303: PIN_NUMBER "1" at 70.299,74.816 h0.25 r180; ASSEMBLY_TOP "TP_0.7" at 69.791,74.689 h0.25 r180
TP1500: PIN_NUMBER "1" at 84.421,100.622 h0.25; ASSEMBLY_TOP "TP_0.7" at 83.913,100.495 h0.25 r180
TP1501: PIN_NUMBER "1" at 84.523,101.943 h0.25; ASSEMBLY_TOP "TP_0.7" at 84.015,101.816 h0.25 r180
TP1502: PIN_NUMBER "1" at 155.947,86.5 h0.25; ASSEMBLY_TOP "TP_0.7" at 156.049,86.5 h0.25
TP1503: PIN_NUMBER "1" at 155.947,87.618 h0.25; ASSEMBLY_TOP "TP_0.7" at 156.049,87.618 h0.25
TP5100: PIN_NUMBER "1" at 115.769,133.039 h0.25 r90; ASSEMBLY_TOP "TP_0.7" at 115.261,132.912 h0.25
TP5101: PIN_NUMBER "1" at 113.737,132.988 h0.25 r90; ASSEMBLY_TOP "TP_0.7" at 113.229,132.861 h0.25
TP5102: PIN_NUMBER "1" at 114.753,133.001 h0.25 r90; ASSEMBLY_TOP "TP_0.7" at 114.245,132.874 h0.25
TP5500: PIN_NUMBER "1" at 81.983,125.413 h0.25; ASSEMBLY_TOP "TP_0.7" at 81.475,125.286 h0.25
TP6700: PIN_NUMBER "1" at 43.797,104.561 h0.25 r90; ASSEMBLY_TOP "TP_0.7" at 43.289,104.434 h0.25 r180
TP6800: PIN_NUMBER "1" at 29.718,107.659 h0.25 r90; ASSEMBLY_TOP "TP_0.7" at 29.21,107.532 h0.25
TP8200: PIN_NUMBER "1" at 40.394,26.732 h0.25 r270; ASSEMBLY_TOP "TP_0.7" at 39.886,26.605 h0.25
TP8201: PIN_NUMBER "1" at 28.837,25.424 h0.25 r270; ASSEMBLY_TOP "TP_0.7" at 28.329,25.297 h0.25
TP8300: PIN_NUMBER "1" at 97.798,26.732 h0.25 r270; ASSEMBLY_TOP "TP_0.7" at 97.29,26.605 h0.25
TP8301: PIN_NUMBER "1" at 86.241,25.424 h0.25 r270; ASSEMBLY_TOP "TP_0.7" at 85.733,25.297 h0.25